# KiCad board URC.kicad_pcb (continued)
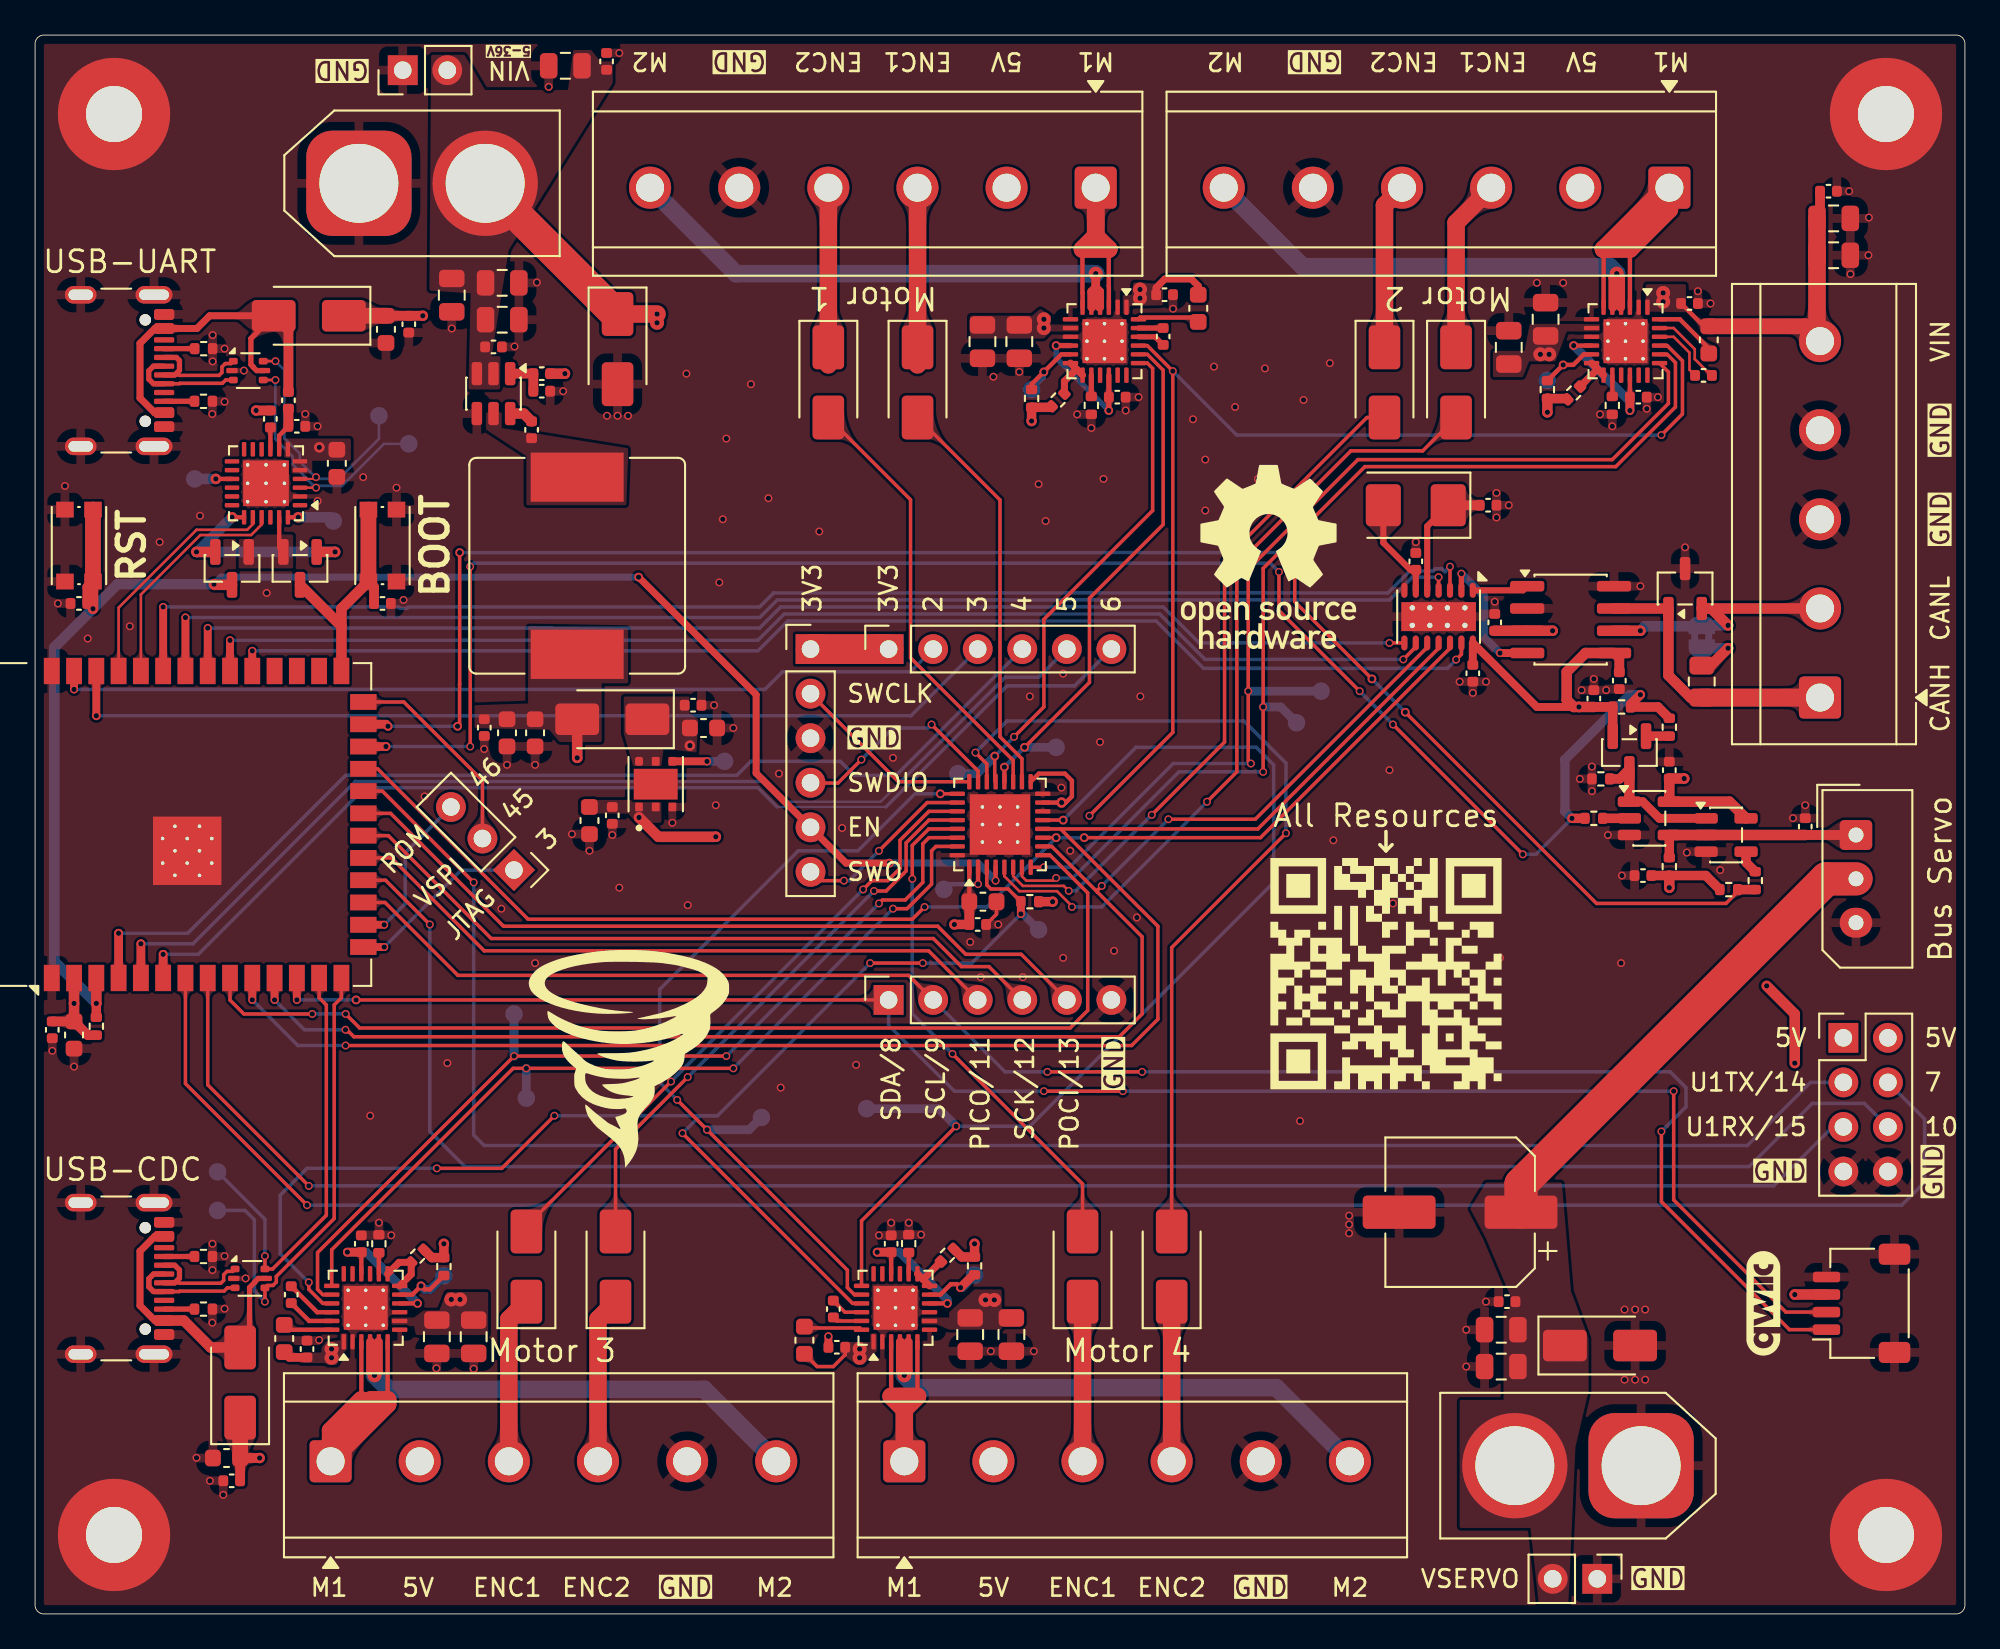
[diagram p0: board, top side]
## Routing (per net, layer and track width the routed paths; a pad name or vN(x,y) marks a point on that pad's centre or on a via; arc(x,y) is an arc through that point) (continued)
ENC4: length 39.3
  Top w0.15: v1(58.92,41.22) 58.64,41.5 56.3,41.5 55.75,42.05 U11.6
  Top w0.2: D10.2 75.91,68.2 67.8,60.08 67.8,49.7 v1(63.65,45.55)
  Bottom w0.2: v1(63.65,45.55) 59.32,41.22 v1(58.92,41.22)
ENC5: length 35.3
  Top w0.2: v1(47.2,41.3) 47.7,41.8 48.6,41.8 49.3,42.5 49.3,44.1 50.95,45.75 U11.27 ; v1(36.25,30.35) 28,22.11
  Bottom w0.2: v1(36.25,30.35) v1(47.2,41.3)
ENC6: length 32.9
  Top w0.2: U11.28 50.94,45.25 49.65,43.96 49.65,42.36 49.5,42.21 49.5,42.2 48.51,41.21 v1(47.82,41.21) ; v1(37.2,30.6) 33.09,26.48 D12.2
  Bottom w0.2: v1(37.2,30.6) 37.7,31.1 37.71,31.1 v1(47.82,41.21)
ENC7: length 29
  Top w0.2: U11.29 50.94,44.75 50,43.81 v1(50,41.9) ; v1(52.29,31.92) 59.71,24.51 D13.2
  Bottom w0.2: v1(50,41.9) 50,34.22 v1(52.29,31.92)
ENC8: length 50.8
  Top w0.2: v1(53.6,49.1) 54.25,48.45 U11.22 ; v1(71.3,44.5) 64.78,37.98 D14.2
  Bottom w0.2: v1(71.3,44.5) 71.3,48.5 68.9,50.9 55.4,50.9 v1(53.6,49.1)
IN1: length 30.8
  Top w0.2: U12.20 63.4,71.8 64.3,70.9 64.3,62.1 60.1,57.9 60.1,53.1 v4(56.4,49.4)
  Top w0.25: U11.20 v4(55.25,48.27)
  Bottom w0.25: v4(55.25,48.27) 56.38,49.4 v4(56.4,49.4)
  Bottom w0.5: v4(56.4,49.4) TP11.1
IN2: length 30.8
  Top w0.2: U11.21 54.7,47.49 v4(54.7,48.9) ; U12.19 63.4,71.3 63.7,71 63.7,62.89 57.5,56.69 57.5,51.7 v1(55.8,50)
  Bottom w0.2: v1(55.8,50) v4(54.7,48.9)
  Bottom w0.5: TP12.1 53.7,47.9 v4(54.7,48.9)
IN3: length 61.8
  Top w0.15: v1(58.2,41.95) 58.05,41.8 56.5,41.8 56.25,42.05 U11.7
  Top w0.2: v1(70,48) 70,59.6 75.8,65.4 90.1,65.4 93.5,68.8 93.5,71.33 93.03,71.8 U13.20
  Bottom w0.2: v1(58.2,41.95) 59.15,41.95 65.2,48 v1(70,48)
  Bottom w0.5: v1(70,51.7) 71,51.7 TP13.1
IN4: length 60.7
  Top w0.2: v1(69.3,48.47) 69.15,48.62 69.15,59.55 75.4,65.8 89.9,65.8 93.1,69 93.1,70.79 U13.19 ; U11.8 v1(57.5,42.56)
  Bottom w0.2: v1(57.5,42.56) 58.96,42.56 64.88,48.47 v1(69.3,48.47)
  Bottom w0.5: v1(69.15,52.6) TP18.1
IN5: length 53
  Top w0.2: U14.20 16.4,18.2 16.1,18.5 16.1,20.6 v1(27.3,31.8) v1(39.4,31.8) ; U11.30 50.95,44.25 50.6,43.9 50.6,41.7 49.6,40.7 48.3,40.7 v1(48.1,40.5)
  Bottom w0.2: v1(39.4,31.8) v1(48.1,40.5)
  Bottom w0.5: v1(27.3,31.8) TP19.1
IN6: length 50
  Top w0.2: v1(48.9,40.2) 49.7,40.2 51.1,41.6 51.1,43.5 51.35,43.75 U11.31 ; U14.19 16.91,20.76 27.25,31.1 v1(39.8,31.1)
  Bottom w0.2: v1(39.8,31.1) v1(48.9,40.2)
  Bottom w0.5: v1(28,31.1) TP20.1
IN7: length 47.4
  Top w0.2: U15.20 46.7,18.2 46.3,18.6 46.3,19.6 v1(36.6,29.3) ; U11.25 v4(51.6,46.75)
  Bottom w0.2: v1(36.6,29.3) 35.6,30.3 35.6,35.6 43.5,43.5 46.9,43.5 50.15,46.75 v4(51.6,46.75)
  Bottom w0.5: v1(38.3,27.6) 40.7,27.6 TP21.1
IN8: length 62.7
  Top w0.2: v1(52.5,27.8) 47.11,22.41 U15.19 ; U11.13 v4(58.6,45.25)
  Bottom w0.2: v4(58.6,45.25) 62.75,49.4 69.6,49.4 70.6,48.4 70.6,41.7 56.7,27.8 v1(52.5,27.8)
  Bottom w0.5: v1(52.5,27.8) 51.5,28.8 TP22.1
LIDAR_IO2/7: length 115.1
  Top w0.2: U4.7 8.57,30.23 v1(15.5,23.3)
  Bottom w0.2: J14.4 107.7,28.21 107.7,24.6 106.4,23.3 v1(15.5,23.3)
LIDAR_IO3/10: length 102.6
  Top w0.2: v1(22.5,39.3) 19.97,41.83 U4.18
  Bottom w0.2: v1(22.5,39.3) 22.5,27.5 24.5,25.5 97.7,25.5 101.3,29.1 104.27,29.1 J14.6
nSLEEP: length 151.8
  Top w0.2: U11.3 54.25,41.55 54.47,41.33 55.47,41.33 R31.1 ; v1(29.6,28.4) 26.6,25.4 v1(22.9,25.4) ; U12.21 63.39,72.3 v1(64.85,70.84) 64.85,50.25 v1(60.1,45.5) ; U15.21 46.6,17.7 v1(36.9,27.4) ; v1(47.6,37.1) v1(50.6,37.1) ; v1(15.6,18.9) 15.6,18.51 16.41,17.7 U14.21 ; v1(92.7,67.2) 93.9,68.4 93.9,71.43 93.03,72.3 U13.21
  Top w0.45: R31.1 v1(56.19,39.9)
  In1.Cu w0.2: v1(60.1,45.5) 60.1,45.44 58.06,43.4 57.5,43.4 56.19,42.09 v1(56.19,39.9)
  Bottom w0.2: v1(64.85,70.84) 68.49,67.2 v1(92.7,67.2) ; v1(15.6,18.9) 13.97,20.53 13.97,23.88 15.5,25.4 v1(22.9,25.4) ; v1(50.6,37.1) 53.39,37.1 v1(56.19,39.9) ; v1(36.9,27.4) 37.9,28.4 38.9,28.4 ; 38.9,28.4 v1(47.6,37.1) ; 38.9,28.4 v1(29.6,28.4)
  Bottom w0.45: v1(56.19,39.9) 56.3,39.9 TP9.1
OUT1: length 15.8
  Top w0.25: U12.6 59.71,75.3 59.7,75.3 59.7,77.8 ; 61.2,77.8 61.2,75.7 61.21,75.69 U12.3
  Top w1: 60.46,78.55 J10.1 60.46,78.56 59.7,77.8 61.2,77.8 60.46,78.55
OUT2: length 30.6
  Top w0.5: v3(60.46,76.4) 60.46,75.6 ; 60.46,75.6 60.68,75.38 60.68,74.49 ; 60.46,75.6 60.23,75.38 60.23,74.49
  Bottom w1: J10.6 39.96,76.4 v3(60.46,76.4)
OUT3: length 22.7
  Top w0.25: 90.9,77.8 90.91,77.8 U13.3 ; 89.4,77.8 89.41,77.8 U13.6
  Top w1: 89.4,77.8 92.9,81.3 ; 89.4,77.8 90.9,77.8 93.16,80.06 J11.1 89.66,77.8 89.4,77.8
OUT4: length 28.4
  Top w0.5: 90.38,74.49 90.38,76.17 v3(90.16,76.4) 89.93,76.17 89.93,74.49
  Bottom w1: v3(90.16,76.4) 89.75,76.8 72.25,76.8 J11.6
OUT5: length 19.9
  Top w0.25: U14.6 20.09,12.21 ; U14.3 18.59,12.2
  Top w1: 16.84,9.9 J12.1 20.09,11.95 20.09,12.21 19.15,12.21 16.84,9.9 ; 16.84,9.9 16.84,10.45 18.59,12.2
OUT6: length 28.9
  Top w0.5: 19.57,15.51 19.57,13.82 v3(19.34,13.6) 19.12,13.82 19.12,15.51
  Bottom w1: J12.6 38.15,12.8 20.14,12.8 v3(19.34,13.6)
OUT7: length 12.8
  Top w0.25: U15.6 50.29,12.4 ; U15.3 48.79,12.4
  Top w1: 49.54,11.65 48.79,12.4 50.29,12.4 49.54,11.65 ; 49.54,11.65 J13.1
OUT8: length 31.4
  Top w0.5: 49.32,15.51 49.32,13.82 v3(49.54,13.6) 49.77,13.82 49.77,15.51
  Bottom w1: J13.6 70.75,12.9 50.25,12.9 v3(49.54,13.6)
PICO1/17: length 94.5
  Top w0.2: 58.45,44.75 64,39.2 64,33.9 62.5,32.4 v1(17.7,32.4) ; 58.45,44.75 U11.12 ; 58.45,44.75 69.7,44.75 80,55.05
  Top w0.45: U4.10 v1(12.38,35)
  Bottom w0.2: v1(12.38,35) 14.98,32.4 v1(17.7,32.4)
PICO/11: length 38.4
  Top w0.2: J17.3 50.93,37.8 25.6,37.8 20.31,43.09 U4.19
POCI1/21: length 72.7
  Top w0.2: U4.23 19.53,48.17 28.1,39.6 50,39.6 v1(50.7,40.3) ; 80.65,55.05 69.85,44.25 v4(59.8,44.25) ; U11.11 v4(58.2,44.25)
  Bottom w0.2: v1(50.7,40.3) 54.25,40.3 v4(58.2,44.25) v4(59.8,44.25)
POCI/13: length 44.5
  Top w0.2: U4.21 20.27,45.64 26.7,39.2 51.45,39.2 53.05,37.6 56.21,37.6 J17.5
SCK1/18: length 88.9
  Top w0.2: U11.10 57.95,43.75 60.55,41.15 ; v1(60.8,41.5) 60.55,41.25 60.55,41.15 ; 60.55,41.15 63.1,38.6 63.1,34.2 61.8,32.9 18.17,32.9 17.9,33.17 17.83,33.17 17.7,33.3 v1(17.69,33.3) ; v1(64.6,45.3) 69.55,45.3 79.35,55.1
  Top w0.45: v1(13.65,35) U4.11
  Bottom w0.2: v1(64.6,45.3) v1(60.8,41.5) ; v1(13.65,35) 15.35,33.3 v1(17.69,33.3)
SCK/12: length 41.4
  Top w0.2: U4.20 20.14,44.36 26,38.5 51.2,38.5 52.8,36.9 54.37,36.9 J17.4
SCL/9: length 98.9
  Top w0.2: 19.05,40.56 19.94,40.56 24.1,36.4 49.79,36.4 J17.2 ; v1(92.7,27.5) 92.7,23.5 100,16.21 102.11,16.21 ; v1(57.7,30.9) v1(63.1,30.9)
  Bottom w0.2: v1(92.7,27.5) 94.1,28.9 94.1,30 93.2,30.9 v1(63.1,30.9) ; J17.2 55.29,30.9 v1(57.7,30.9)
SDA/8: length 100.3
  Top w0.2: v1(93.4,29.8) 93.4,23.6 99.79,17.2 J15.2 ; v1(57.5,29.8) v1(62,29.8) ; v4(18.3,35) J17.1 ; 14.92,35.02 14.9,35
  Top w0.45: U4.12 v1(14.92,35)
  Bottom w0.2: v1(57.5,29.8) 52.4,29.8 48.65,33.55 J17.1 ; v1(14.92,35) v4(18.3,35) ; v1(62,29.8) v1(93.4,29.8)
SERVO_DATA: length 11.9
  Top w0.54: R11.1 U8.4
  Top w0.56: C27.1 J7.1
  Top w0.6: C27.1 U7.2 U8.4
STM32_CS/16: length 61.4
  Top w0.2: v1(15.8,34.2) 11.9,34.2 11.11,34.99 U4.9 ; v1(17.7,34.2) 18.5,33.4 59,33.4 60,34.4 60,41.1 57.85,43.25 U11.9
  Bottom w0.2: v1(15.8,34.2) v1(17.7,34.2)
U0RX: length 13.3
  Top w0.15: U4.36 6.03,58.11 9.42,61.5 12.31,61.5 12.91,62.1 U3.21
U0TX: length 13.6
  Top w0.15: U4.37 4.76,57.36 9.2,61.8 12.09,61.8 12.41,62.12 U3.20
U1RX/15: length 102.5
  Top w0.2: v1(15.6,24.4) 9.84,30.16 U4.8
  Bottom w0.2: 102.46,27.76 99.1,24.4 v1(15.6,24.4)
U1TX/14: length 102.7
  Top w0.2: U4.22 19.8,46.91 v1(25,41.7)
  Bottom w0.2: v1(25,41.7) 25,27.3 25.6,26.7 97.6,26.7 101.2,30.3 102,30.3 102,30.3 J14.3
U2RX/48: length 99.2
  Top w0.2: v4(24.2,60.5) 24.2,53 24.19,52.99 24.19,50.72 v4(24.08,50.6) ; 97.05,41.17 96.38,40.5 89,40.5 v4(78.1,51.4) ; v4(71.8,60.2) 71.8,57.7 v4(76.2,53.3)
  Top w0.5: U4.25 20,50.72 v4(20.11,50.6)
  Top w0.54: R15.1 R14.1
  Bottom w0.2: v4(24.08,50.6) v4(20.11,50.6) ; v4(71.8,60.2) 71.5,60.5 v4(24.2,60.5) ; v4(78.1,51.4) v4(76.2,53.3)
U2TX/47: length 101.7
  Top w0.2: v1(24.8,59.7) v1(24.8,49.44) ; v1(84.8,43.3) v1(77.4,50.7) ; v1(70.9,59.4) 70.9,57.2 v1(75.5,52.6)
  Top w0.5: U4.24 v4(20,49.44)
  Top w0.54: v4(87.6,45.35) R16.2 ; v4(91.5,52.4) 90.94,51.84 R17.1 92.51,51.7 R12.1
  Bottom w0.2: v1(84.8,43.3) 85.55,43.3 v4(87.6,45.35) ; v4(20,49.44) v1(24.8,49.44) ; v1(24.8,59.7) 25,59.9 70.4,59.9 v1(70.9,59.4) ; v1(77.4,50.7) v1(75.5,52.6)
  Bottom w0.54: v4(91.5,52.4) 90.9,52.4 87.2,48.7 87.2,45.75 v4(87.6,45.35)
VSERVO: length 27.9
  Top w1.9: C28.1 84.7,24.5 102.1,41.9 J7.2
Net-(D3-A): length 33.5
  Top w0.6: v2(30.2,70.7) R9.1 ; v2(30.9,48.8) D3.2
  In2.Cu w0.6: v2(30.2,70.7) 28.6,70.7 23.2,65.3 23.2,53.9 27.9,49.2 30.5,49.2 v2(30.9,48.8)
Net-(D7-K): length 10.1
  Top w1: 50.3,81.3 50.3,71.2
Net-(D8-K): length 10.1
  Top w1: J10.4 45.22,71.2
Net-(D9-K): length 9.9
  Top w1: D9.1 81,79.3 J11.3
Net-(D10-K): length 9.5
  Top w1: D10.1 76.91,80.3 J11.4
Net-(D11-K): length 9.5
  Top w1: J12.3 27,16.8 D11.1
Net-(D12-K): length 9.5
  Top w1: D12.1 32.08,16.8 J12.4
Net-(D13-K): length 9.1
  Top w1: J13.3 D13.1
Net-(D14-K): length 9.1
  Top w1: J13.4 D14.1
Net-(J1-CC1): length 1.7
  Top w0.3: J1.A5 R1.2
Net-(J1-CC2): length 1.7
  Top w0.3: J1.B5 R2.2
Net-(J2-CC1): length 1.7
  Top w0.3: J2.A5 R3.2
Net-(J2-CC2): length 1.7
  Top w0.3: J2.B5 R4.2
Net-(JP1-B): length 3.4
  Top w0.6: v2(96.5,55.05) 95.51,54.06 R18.2
  Bottom w0.6: v2(96.5,55.05) JP1.2
Net-(Q1-B): length 2.1
  Top w0.25: Q2.2 13.91,60.78 U3.23
Net-(Q1-E): length 13.6
  Top w0.25: U3.19 v2(11.22,62.51)
  Top w0.6: Q2.1 v2(17.1,60.54) ; 10.28,60.54 v2(9.2,60.54)
  Bottom w0.6: v2(17.1,60.54) v2(9.2,60.54) 9.25,60.54 v2(11.22,62.51)
Net-(Q3-B): length 1.3
  Top w0.54: Q3.1 R12.2
Net-(Q3-C): length 8
  Top w0.5: U7.1 92.58,45.35 91.63,46.3 U8.1
  Top w0.54: Q3.3 90.31,47.6 R13.1
  Top w0.6: Q3.3 U8.1
Net-(R14-Pad2): length 1.4
  Top w0.54: U7.4 97.53,42.83 R14.2
Net-(R16-Pad1): length 1.5
  Top w0.54: R16.1 U8.2
Net-(U3-VBUS): length 2.5
  Top w0.25: U3.8 13.91,67.17 R7.1
  Top w0.56: R7.1 R6.2
Net-(U3-~{DCD}): length 2.7
  Top w0.25: U3.24 v2(15,62.51)
  Bottom w0.6: v2(15,62.51) 16.79,62.51 TP2.1
Net-(U3-~{RST}): length 1.3
  Top w0.25: U3.9 R5.2
Net-(U3-~{SUSPEND}): length 2.1
  Top w0.25: U3.15 v2(10.3,64.7)
  Bottom w0.6: v2(10.3,64.7) TP1.1
Net-(U5-CB): length 1.4
  Top w0.6: U5.6 27.86,68.42 C13.1
Net-(U5-FB): length 2.3
  Top w0.56: U5.1 R9.2 R10.1
Net-(U6-PG): length 3
  Top w0.45: U6.4 v1(38.3,48.6)
  Bottom w0.5: v1(38.3,48.6) TP7.1
Net-(U9-OSC1): length 5.8
  Top w0.35: Y1.2 76.85,61.06 78.39,59.52 C31.2 U9.6
Net-(U9-OSC2): length 7.1
  Top w0.35: U9.5 79.35,62 Y1.1
  Top w0.56: C30.1 Y1.1
Net-(U11-PF0): length 3
  Top w0.25: U11.2 v1(53.75,41.6)
  Bottom w0.25: v1(53.75,41.6) 52.1,41.6 TP10.1
Net-(U12-CPH): length 1.4
  Top w0.3: U12.23 C39.2
Net-(U12-CPL): length 1.6
  Top w0.3: U12.22 63.84,72.8 C39.1
Net-(U12-DECAY): length 7.8
  Top w0.3: U12.16 C44.1 ; v4(61.2,68.6) 61.2,69.36 ; U12.10 v4(58.2,72.3)
  Bottom w0.3: v4(61.2,68.6) 58.2,71.6 v4(58.2,72.3)
Net-(U12-nFAULT): length 4.5
  Top w0.25: U12.11 58.5,71.8 v4(57.5,70.8) 56.8,70.1 R19.1
  Bottom w0.25: v4(57.5,70.8) 57.5,70.5 R19.1
Net-(U12-TOFF): length 1.2
  Top w0.3: U12.14 R21.2
Net-(U12-VCP): length 3.2
  Top w0.25: U12.24 62.99,73.9 66.05,73.9
Net-(U12-VREF): length 2.7
  Top w0.4: R20.1 58.67,70.27 59.36,70.96 ; 59.36,70.96 U12.13 ; 59.36,70.96 U12.12
Net-(U13-CPH): length 4.4
  Top w0.15: U13.23 93.4,73.3 94.6,72.1 94.6,71.53 95.53,70.6
Net-(U13-CPL): length 3.5
  Top w0.15: C48.1 94.3,70.92 94.3,71.9 93.4,72.8 U13.22
Net-(U13-DECAY): length 8.1
  Top w0.25: U13.10 v4(87.7,72.3) ; U13.16 C50.1
  Top w0.5: C50.1 v4(90.91,68.6)
  Bottom w0.5: v4(90.91,68.6) 90.91,69.09 v4(87.7,72.3)
Net-(U13-nFAULT): length 4.4
  Top w0.25: R23.1 v4(87.1,71.2) 87.68,71.2 88.28,71.8 U13.11
  Bottom w0.25: v4(87.1,71.2) 87.09,71.2 TP15.1
Net-(U13-TOFF): length 1.2
  Top w0.25: U13.14 89.91,69.41
Net-(U13-VCP): length 3.5
  Top w0.25: U13.24 93.75,73.8 95.4,72.15
Net-(U13-VREF): length 2.4
  Top w0.4: U13.12 89.06,70.96 ; 89.06,70.96 U13.13 ; 89.06,70.96 R24.1
Net-(U14-CPH): length 2.7
  Top w0.25: C54.2 15.62,16.7 U14.23
Net-(U14-CPL): length 2.9
  Top w0.25: C54.1 16.08,17.2 U14.22
Net-(U14-DECAY): length 8.3
  Top w0.25: U14.10 v4(21.8,17.7) ; U14.16 C56.1
  Top w0.5: v4(17.8,20.62) C56.1
  Bottom w0.5: v4(21.8,17.7) 18.88,20.62 v4(17.8,20.62)
Net-(U14-nFAULT): length 4.8
  Top w0.25: R26.1 22.51,18.5 22.2,18.5 v4(22,18.7) 21.5,18.2 U14.11
  Bottom w0.5: TP16.1 22.53,18.5 22.2,18.5 v4(22,18.7)
Net-(U14-TOFF): length 1.2
  Top w0.25: U14.14 R25.2
Net-(U14-VCP): length 2.4
  Top w0.25: 14.47,16.2 U14.24
Net-(U14-VREF): length 3.2
  Top w0.4: U14.13 20.75,20.04 R27.1 21.44,19.36 U14.12
Net-(U15-CPH): length 1.7
  Top w0.2: C60.2 45.7,16.7 U15.23
Net-(U15-CPL): length 1.9
  Top w0.2: U15.22 46.16,17.2 C60.1
Net-(U15-DECAY): length 8.4
  Top w0.25: U15.10 v4(52,17.7) ; U15.16 C62.1
  Top w0.5: v4(48,20.62) C62.1
  Bottom w0.5: v4(52,17.7) 52,17.9 49.28,20.62 v4(48,20.62)
Net-(U15-nFAULT): length 4.2
  Top w0.25: v4(52.75,18.6) 52.55,18.8 52.2,18.8 51.6,18.2 U15.11
  Top w0.5: 53.48,19.33 v4(52.75,18.6)
  Bottom w0.5: TP17.1 52.84,18.6 v4(52.75,18.6)
Net-(U15-TOFF): length 1.2
  Top w0.25: U15.14 R28.2
Net-(U15-VCP): length 3.2
  Top w0.2: 43.93,16.3 47.01,16.3 U15.24
Net-(U15-VREF): length 2.4
  Top w0.4: 50.62,19.07 U15.12 ; 50.62,19.07 R30.1 ; 50.62,19.07 U15.13

## Copper pours and planes (outline as drawn; the poured copper is in the pictures)
+3V3 on Top: 31.1,46.4 31.1,45.62 33.8,45.62 34.29,45.1 35.7,45.1 35.7,46.4
+3V3 on Top: 18,67 18,65.73 15.8,65.73 15.8,65 14.6,65 14.6,65.9 14.2,65.9 14.2,67
+5V on Top: 37.3,52.3 37.3,51.34 37.8,51 37.7,49.1 35.82,49.32 35.7,48.3 34.1,48.3 33.55,50.2 33.55,52.3
GND on Top, Bottom, In1.Cu, In2.Cu: 0,90 110.03,90 110.03,0 0,0
VIN on Top: 48,16 47.6,16 47.6,15.5 45.9,15.5 45.9,14.84 46.85,14.2 47.2,14.2 48,15
VIN on Top: 89.2,73.1 87.3,73.1 86.66,71.4 85.16,71.4 84.8,70.5 83.1,70.5 83.1,72 84.9,72 85.2,73.54 89.2,73.54
VIN on Top: 17.8,16 17.4,16 17.4,15.6 16.4,15.5 16.3,14.9 15.1,14.9 15.1,14.3 16.5,14.3 16.7,14.2 17.2,14.2 17.59,14.9 17.8,15.1
VIN on Top: 55.1,18.5 55.1,16.2 52.1,16.2 51.4,16.5 50.5,16.5 50.5,16.9 52.1,16.9 52.1,17.2 53.55,18.5
VIN on Top: 20.3,16.9 21.6,16.9 22.13,17.3 23.04,17.3 23.46,18.35 25.83,18.35 25.83,15.9 21.7,15.9 21.6,16.4 20.3,16.4
VIN on Top: 53.28,74 56.83,74 57.3,74.4 57.9,74 57.9,73.5 59.5,73.5 59.5,73.1 57.9,73.1 57.5,72.7 53.28,72.7
VIN on Top: 22.58,88.88 24.47,88.88 25.65,86.88 30.38,86.88 30.67,89.15 31.7,89.15 32.22,88.5 32.94,88.5 32.92,87.27 27,77.75 26.02,71.7 26.53,71.7 26.5,69.8 24.7,69.8 24.83,75.28 22.47,75.44
VIN on Top: 91.8,75.8 94.1,75.8 94.1,74.2 91.8,74.24
VIN on Top: 63,75.9 62.6,75.9 62.5,75.2 62,75.19 62,74.1 62.4,74.1 62.4,74.55 64.3,74.6 64.27,75.8
VSERVO on Top: 87.4,0.62 85.7,0.62 85.24,4.9 81.2,4.9 81.2,12.2 83.7,12.2 83.7,17.25 84.05,17.38 84.1,18.1 82.7,21.4 81.8,23.1 82.7,24.6 87.03,24.6 87.55,18.4 88.55,15.7 88.55,12.7 87.8,9.5
Net-(D3-A) on Top: 28.1,56.3 28.1,51.9 25,51.8 25,50.5 29.3,50.4 29.9,49.7 32.3,49.7 32.3,53.05 33.8,53.05 33.8,56.2
Net-(Q1-B) on Top: 11.61,61.53 14.71,61.53 14.71,59.6 11.6,59.6
Net-(U5-SW) on Top: 25.7,68.5 25.7,67.51 28,66 28,63.2 33.7,63.2 33.8,66 33.8,66.45 26.6,67.6 26.6,68.5

Small or netless copper shapes (teardrops, artwork), in the pictures only: 183 on Top, 30 on Bottom, 13 on In2.Cu

## Text on the board
B.Silkscreen: Licensed under CERN-OHL-W v2 | Universal Robot Controller^{Rev 1.0}
F.Silkscreen: 5-36V | SWCLK | GND | SWDIO | EN | SWO | 5V | 7 | 10 | M1 | ENC1 | ENC2 | M2 | VSERVO | U1TX/14 | U1RX/15 | 46 | 45 | 3 | ROM | VSPI | JTAG | 3V3 | 2 | 4 | 5 | 6 | VIN | CANL | CANH | SDA/8 | SCL/9 | PICO/11 | SCK/12 | POCI/13 | USB-UART | USB-CDC | Motor 3 | Motor 4 | All Resources | Bus Servo | Motor 1 | Motor 2 | RST | BOOT
